# KiCad board forti rev 3.kicad_pcb
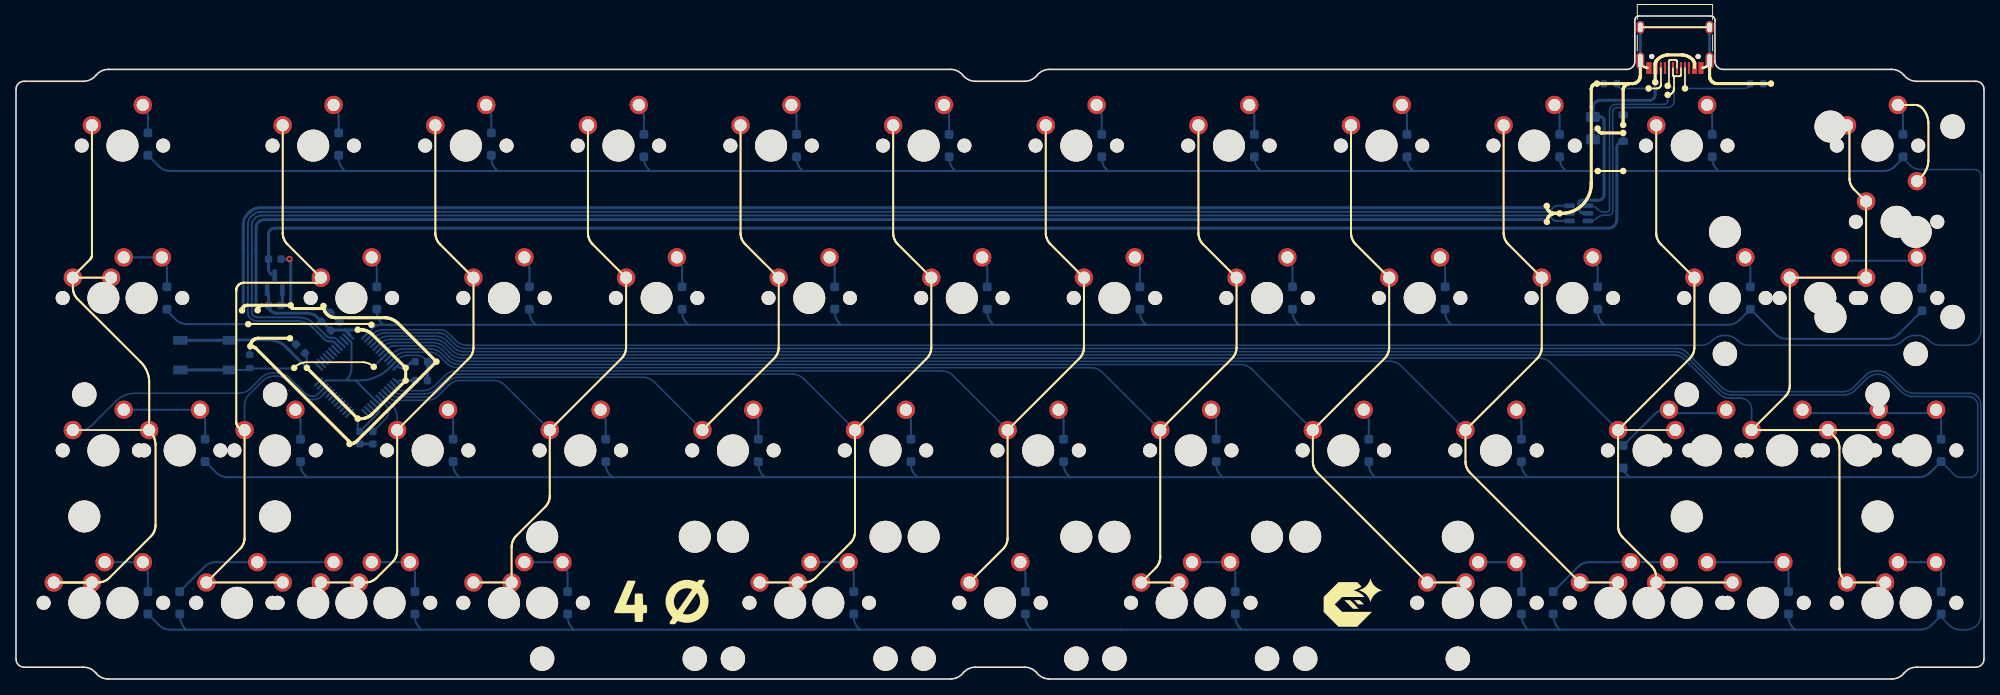
[diagram p0: board, top side]
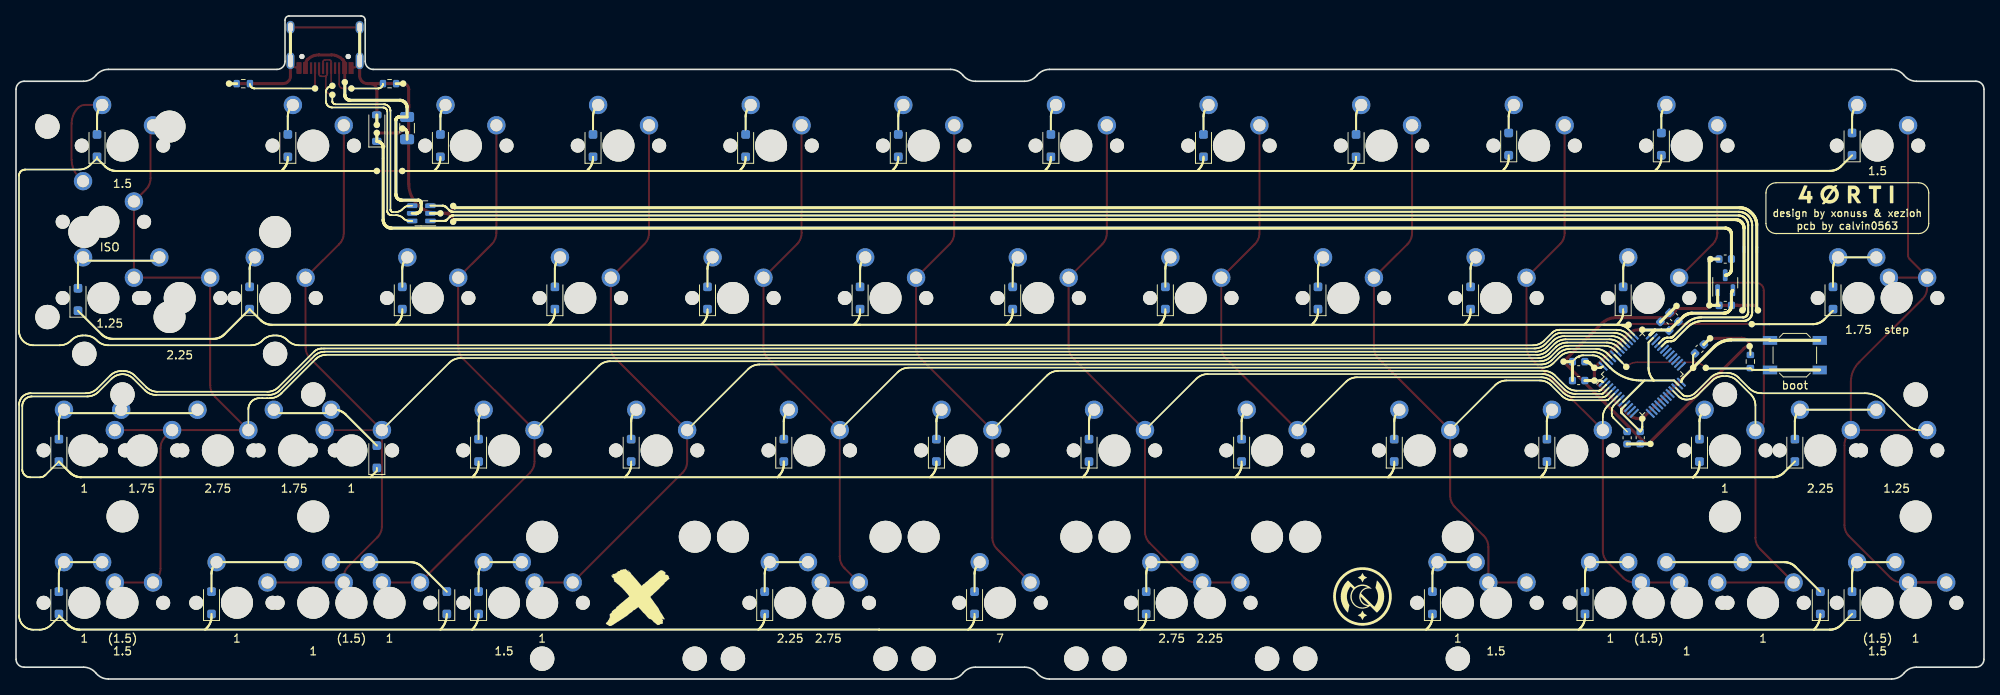
[diagram p1: board, bottom side, seen from below]

Outline 245.65 x 82.88 mm; copper layers: Top, Bottom. Coordinates in mm from the lower left corner of the outline.
Outline path: 0,73.72 0,2.48 arc(0.29,1.77) 1,1.48 8.42,1.48 arc(9.28,1.28) 9.97,0.74 arc(10.66,0.19) 11.52,0 116.65,0 arc(117.51,0.19) 118.2,0.74 arc(118.9,1.28) 119.76,1.48 125.89,1.48 arc(126.75,1.28) 127.45,0.74 arc(128.14,0.19) 129,0 234.13,0 arc(234.99,0.19) 235.68,0.74 arc(236.37,1.28) 237.23,1.48 244.65,1.48 arc(245.36,1.77) 245.65,2.48 245.65,73.72 arc(245.36,74.42) 244.65,74.72 237.23,74.72 arc(236.37,74.91) 235.68,75.46 arc(234.98,76.01) 234.12,76.2 213.07,76.2 arc(212.36,76.49) 212.07,77.2 212.07,82.38 arc(211.92,82.73) 211.57,82.88 202.57,82.88 arc(202.22,82.73) 202.07,82.38 202.07,77.2 arc(201.78,76.49) 201.07,76.2 129,76.2 arc(128.14,76.01) 127.45,75.46 arc(126.75,74.91) 125.89,74.72 119.76,74.72 arc(118.9,74.91) 118.2,75.46 arc(117.51,76.01) 116.65,76.2 11.53,76.2 arc(10.67,76.01) 9.97,75.46 arc(9.28,74.91) 8.42,74.72 1,74.72 arc(0.29,74.42) 0,73.72
Stack: Top 0.035mm / dielectric 1.51mm FR4 er 4.5 / Bottom 0.035mm

## Placement (name value [footprint] x y rotation side)
C1  1uF  [C_0603_1608Metric]  32.3 52.49 180 bottom
C2  1uF  [C_0603_1608Metric]  32.3 46.7 180 bottom
C3  10uF  [C_0603_1608Metric]  38.69 45.23 45 bottom
C4  100nF  [C_0603_1608Metric]  35.51 41.28 135 bottom
C5  100nF  [C_0603_1608Metric]  39.85 44.1 45 bottom
C6  100nF  [C_0603_1608Metric]  50.59 39.67 0 bottom
C7  100nF  [C_0603_1608Metric]  42.91 30.16 270 bottom
C8  100nF  [C_0603_1608Metric]  50.59 37.31 0 bottom
C9  100nF  [C_0603_1608Metric]  44.54 30.15 270 bottom
D1  D_Small  [D_SOD-123F]  16.46 66.86 90 bottom
D2  D_Small  [D_SOD-123F]  40.28 66.86 90 bottom
D3  D_Small  [D_SOD-123F]  59.33 66.86 90 bottom
D4  D_Small  [D_SOD-123F]  78.38 66.68 90 bottom
D5  D_Small  [D_SOD-123F]  97.43 66.68 90 bottom
D6  D_Small  [D_SOD-123F]  116.48 66.68 90 bottom
D7  D_Small  [D_SOD-123F]  135.53 66.68 90 bottom
D8  D_Small  [D_SOD-123F]  154.58 66.68 90 bottom
D9  D_Small  [D_SOD-123F]  173.63 66.68 90 bottom
D10  D_Small  [D_SOD-123F]  192.68 66.68 90 bottom
D11  D_Small  [D_SOD-123F]  211.73 66.68 90 bottom
D12  D_Small  [D_SOD-123F]  235.54 66.68 90 bottom
D13  D_Small  [D_SOD-123F]  18.84 47.62 90 bottom
D14  D_Small  [D_SOD-123F]  45.04 47.62 90 bottom
D15  D_Small  [D_SOD-123F]  64.09 47.62 90 bottom
D16  D_Small  [D_SOD-123F]  83.14 47.62 90 bottom
D17  D_Small  [D_SOD-123F]  102.19 47.62 90 bottom
D18  D_Small  [D_SOD-123F]  121.24 47.62 90 bottom
D19  D_Small  [D_SOD-123F]  140.29 47.62 90 bottom
D20  D_Small  [D_SOD-123F]  159.34 47.62 90 bottom
D21  D_Small  [D_SOD-123F]  178.39 47.62 90 bottom
D22  D_Small  [D_SOD-123F]  197.44 47.62 90 bottom
D23  D_Small  [D_SOD-123F]  216.49 47.62 90 bottom
D24  D_Small  [D_SOD-123F]  237.92 47.44 90 bottom
D25  D_Small  [D_SOD-123F]  23.61 28.58 90 bottom
D26  D_Small  [D_SOD-123F]  35.51 28.58 90 bottom
D27  D_Small  [D_SOD-123F]  54.56 28.58 90 bottom
D28  D_Small  [D_SOD-123F]  73.61 28.58 90 bottom
D29  D_Small  [D_SOD-123F]  92.66 28.58 90 bottom
D30  D_Small  [D_SOD-123F]  111.71 28.58 90 bottom
D31  D_Small  [D_SOD-123F]  130.76 28.58 90 bottom
D32  D_Small  [D_SOD-123F]  149.81 28.58 90 bottom
D33  D_Small  [D_SOD-123F]  168.86 28.58 90 bottom
D34  D_Small  [D_SOD-123F]  187.91 28.58 90 bottom
D35  D_Small  [D_SOD-123F]  200.61 27.78 90 bottom
D36  D_Small  [D_SOD-123F]  240.3 28.58 90 bottom
D37  D_Small  [D_SOD-123F]  16.46 9.53 90 bottom
D38  D_Small  [D_SOD-123F]  20.43 9.53 90 bottom
D39  D_Small  [D_SOD-123F]  49.8 9.53 90 bottom
D40  D_Small  [D_SOD-123F]  68.85 9.53 90 bottom
D41  D_Small  [D_SOD-123F]  104.57 9.53 90 bottom
D42  D_Small  [D_SOD-123F]  126 9.53 90 bottom
D43  D_Small  [D_SOD-123F]  152.19 9.53 90 bottom
D44  D_Small  [D_SOD-123F]  187.91 9.53 90 bottom
D45  D_Small  [D_SOD-123F]  191.88 9.53 90 bottom
D46  D_Small  [D_SOD-123F]  221.25 9.53 90 bottom
D47  D_Small  [D_SOD-123F]  240.3 9.53 90 bottom
D_PWR1  SMF9.0CA  [D_SOD-123]  200.61 68.86 90 bottom
enter2.1  MX_stab  [STAB_MX_2.25u]  225.22 47.62 180 top
F1  500mA  [Fuse_1206_3216Metric]  196.84 68.86 270 bottom
G***  -  [LOGO]  80.76 9.53 0 top
G***#2  -  [LOGO]  166.48 9.53 0 top
G***#3  -  [LOGO]  77.58 10.32 180 bottom
G***#4  -  [LOGO]  17.06 60.48 180 bottom
G***#5  -  [LOGO]  168.07 10.32 180 bottom
ISO1  MX_stab  [STAB_MX_ISO-ROT]  234.74 57.15 0 top
J1  USB_C_Receptacle_USB2.0  [USB_C_Receptacle_HRO_TYPE-C-31-M-12]  207.08 80.41 180 top
MX1  MX_SW_HS  [SW_MX_1.5u]  13.29 66.68 0 top
MX2  MX_SW_HS  [SW_MX_1u]  37.1 66.68 0 top
MX3  MX_SW_HS  [SW_MX_1u]  56.15 66.68 0 top
MX4  MX_SW_HS  [SW_MX_1u]  75.2 66.68 0 top
MX5  MX_SW_HS  [SW_MX_1u]  94.25 66.68 0 top
MX6  MX_SW_HS  [SW_MX_1u]  113.3 66.68 0 top
MX7  MX_SW_HS  [SW_MX_1u]  132.35 66.68 0 top
MX8  MX_SW_HS  [SW_MX_1u]  151.4 66.68 0 top
MX9  MX_SW_HS  [SW_MX_1u]  170.45 66.68 0 top
MX10  MX_SW_HS  [SW_MX_1u]  189.5 66.68 0 top
MX11  MX_SW_HS  [SW_MX_1u]  208.55 66.68 0 top
MX12  MX_SW_HS  [SW_MX_1.5u]  232.36 66.68 0 top
MX13  MX_SW_HS  [SW_MX_1.75u]  15.67 47.62 0 top
MX14  MX_SW_HS  [SW_MX_1u]  41.86 47.62 0 top
MX15  MX_SW_HS  [SW_MX_1u]  60.91 47.62 0 top
MX16  MX_SW_HS  [SW_MX_1u]  79.96 47.62 0 top
MX17  MX_SW_HS  [SW_MX_1u]  99.01 47.62 0 top
MX18  MX_SW_HS  [SW_MX_1u]  118.06 47.62 0 top
MX19  MX_SW_HS  [SW_MX_1u]  137.11 47.62 0 top
MX20  MX_SW_HS  [SW_MX_1u]  156.16 47.62 0 top
MX21  MX_SW_HS  [SW_MX_1u]  175.21 47.62 0 top
MX22  MX_SW_HS  [SW_MX_1u]  194.26 47.62 0 top
MX23  MX_SW_HS  [SW_MX_1u]  213.31 47.62 0 top
MX24  MX_SW_HS  [SW_MX_1.25u]  234.74 47.62 0 top
MX25  MX_SW_HS  [SW_MX_1.25u]  10.91 28.58 0 top
MX26  MX_SW_HS  [SW_MX_1u]  32.34 28.58 0 top
MX27  MX_SW_HS  [SW_MX_1u]  51.39 28.58 0 top
MX28  MX_SW_HS  [SW_MX_1u]  70.44 28.58 0 top
MX29  MX_SW_HS  [SW_MX_1u]  89.49 28.58 0 top
MX30  MX_SW_HS  [SW_MX_1u]  108.54 28.58 0 top
MX31  MX_SW_HS  [SW_MX_1u]  127.59 28.58 0 top
MX32  MX_SW_HS  [SW_MX_1u]  146.64 28.58 0 top
MX33  MX_SW_HS  [SW_MX_1u]  165.69 28.58 0 top
MX34  MX_SW_HS  [SW_MX_1u]  184.74 28.58 0 top
MX35  MX_SW_HS  [SW_MX_1u]  203.79 28.58 0 top
MX36  MX_SW_HS  [SW_MX_1.75u]  210.93 28.58 0 top
MX37  MX_SW_HS  [SW_MX_1.75u]  229.98 28.58 0 top
MX38  MX_SW_HS  [SW_MX_1u]  237.13 28.58 0 top
MX39  MX_SW_HS  [SW_MX_1u]  8.53 9.53 0 top
MX40  MX_SW_HS  [SW_MX_1.5u]  13.29 9.53 0 top
MX41  MX_SW_HS  [SW_MX_1u]  27.58 9.53 0 top
MX42  MX_SW_HS  [SW_MX_1u]  37.1 9.53 0 top
MX43  MX_SW_HS  [SW_MX_1u]  46.63 9.53 0 top
MX44  MX_SW_HS  [SW_MX_1.5u]  41.86 9.53 0 top
MX45  MX_SW_HS  [SW_MX_1u]  65.68 9.53 0 top
MX46  MX_SW_HS  [SW_MX_1.5u]  60.91 9.53 0 top
MX47  MX_SW_HS  [SW_MX_1u]  122.83 9.53 0 top
MX48  MX_SW_HS  [SW_MX_1u]  179.98 9.53 0 top
MX49  MX_SW_HS  [SW_MX_1.5u]  184.74 9.53 0 top
MX50  MX_SW_HS  [SW_MX_1u]  199.03 9.53 0 top
MX51  MX_SW_HS  [SW_MX_1.5u]  203.79 9.53 0 top
MX52  MX_SW_HS  [SW_MX_1u]  218.08 9.53 0 top
MX53  MX_SW_HS  [SW_MX_1u]  208.55 9.53 0 top
MX54  MX_SW_HS  [SW_MX_1u]  237.13 9.53 0 top
MX55  MX_SW_HS  [SW_MX_1.5u]  232.36 9.53 0 top
MXcaps1  MX_SW_HS  [SW_MX_1.75u_STP_1.25]  10.91 47.62 0 top
MXenter2.1  MX_SW_HS  [SW_MX_1u]  225.22 47.62 0 top
MXISO1  MX_SW_HS  [SW_MX_1u]  234.74 57.15 0 top
MXshift2.1  MX_SW_HS  [SW_MX_1u]  20.43 28.58 0 top
MXshift2.2  MX_SW_HS  [SW_MX_1u]  220.46 28.58 0 top
MXsplit2.1  MX_SW_HS  [SW_MX_1u]  101.39 9.53 0 top
MXsplit2.2  MX_SW_HS  [SW_MX_1u]  149.02 9.53 0 top
MXsplit2.25(1)1  MX_SW_HS  [SW_MX_1u]  96.63 9.53 0 top
MXsplit2.75(1)1  MX_SW_HS  [SW_MX_1u]  144.26 9.53 0 top
R1  5k1  [R_0603_1608Metric]  217.28 74.41 0 bottom
R2  5k1  [R_0603_1608Metric]  199.03 74.41 180 bottom
R3  10k  [R_0603_1608Metric]  29.16 39.69 90 bottom
S1  225  [STAB_MX_2.25u]  96.63 9.53 180 top
S2  7  [STAB_MX_7u]  122.83 9.53 180 top
S3  275  [STAB_MX_2.75u]  144.26 9.53 180 top
S4  225  [STAB_MX_2.25u]  149.02 9.53 180 top
S5  275  [STAB_MX_2.75u]  101.39 9.53 180 top
shift2.1  MX_stab  [STAB_MX_2.75u]  220.46 28.58 0 top
shift2.2  MX_stab  [STAB_MX_2.25u]  20.43 28.58 0 top
SW1  SKQGABE010  [SW_SPST_SKQG_WithoutStem]  23.61 40.48 180 bottom
U1  USBLC6-2SC6  [SOT-23-6]  195.06 58.21 0 bottom
U2  STM32F072C8Tx  [LQFP-48_7x7mm_P0.5mm]  42.66 38.1 135 bottom
U3  XC6206PxxxMR-Regulator_Linear  [SOT-23]  32.3 49.53 90 bottom

## Library data of the parts
C1-C9 = -: ki_fp_filters: C_*
D1-D47 = -: Sim.Device: D; Sim.Pins: 1=K 2=A; ki_fp_filters: TO-???* *_Diode_* *SingleDiode* D_*
D_PWR1 = -: ki_fp_filters: TO-???* *_Diode_* *SingleDiode* D_*
F1 = -: LCSC: C70076; ki_fp_filters: *polyfuse* *PTC*
J1 = -: Datasheet: https://www.usb.org/sites/default/files/documents/usb_type-c.zip; LCSC: C165948; ki_fp_filters: USB*C*Receptacle*
R1-R3 = -: ki_fp_filters: R_*
SW1 = -: LCSC: C115351
U1 = -: Datasheet: https://www.st.com/resource/en/datasheet/usblc6-2.pdf; LCSC: C2827654; ki_fp_filters: SOT?23*
U2 = -: Datasheet: https://www.st.com/resource/en/datasheet/stm32f072c8.pdf; ki_fp_filters: LQFP*7x7mm*P0.5mm*
U3 = -: Datasheet: https://www.torexsemi.com/file/xc6206/XC6206.pdf; LCSC: C5446; ki_fp_filters: SOT?23*

## Footprints (pads in the part's own frame, mm; a bottom-side part is the same pattern mirrored in y, then rotated)
C_0603_1608Metric
  rrect 0.9x0.95 smd: 1(-0.775,0) 2(0.775,0)
D_SOD-123
  rrect 0.9x1.2 smd: 1(-1.65,0) 2(1.65,0)
D_SOD-123F
  rrect 1.1x1.1 smd: 1(-1.4,0) 2(1.4,0)
Fuse_1206_3216Metric
  rrect 1.25x1.75 smd: 1(-1.4,0) 2(1.4,0)
LQFP-48_7x7mm_P0.5mm
  rrect 1.475x0.28 smd: 1(-4.162,2.75) 2(-4.162,2.25) 3(-4.162,1.75) 4(-4.162,1.25) 5(-4.162,0.75) 6(-4.162,0.25) 7(-4.162,-0.25) 8(-4.162,-0.75) 9(-4.162,-1.25) 10(-4.162,-1.75) 11(-4.162,-2.25) 12(-4.162,-2.75) 25(4.162,-2.75) 26(4.162,-2.25) 27(4.162,-1.75) 28(4.162,-1.25) 29(4.162,-0.75) 30(4.162,-0.25) 31(4.162,0.25) 32(4.162,0.75) 33(4.162,1.25) 34(4.162,1.75) 35(4.162,2.25) 36(4.162,2.75)
  rrect 0.28x1.475 smd: 13(-2.75,-4.162) 14(-2.25,-4.162) 15(-1.75,-4.162) 16(-1.25,-4.162) 17(-0.75,-4.162) 18(-0.25,-4.162) 19(0.25,-4.162) 20(0.75,-4.162) 21(1.25,-4.162) 22(1.75,-4.162) 23(2.25,-4.162) 24(2.75,-4.162) 37(2.75,4.162) 38(2.25,4.162) 39(1.75,4.162) 40(1.25,4.162) 41(0.75,4.162) 42(0.25,4.162) 43(-0.25,4.162) 44(-0.75,4.162) 45(-1.25,4.162) 46(-1.75,4.162) 47(-2.25,4.162) 48(-2.75,4.162)
R_0603_1608Metric
  rrect 0.8x0.95 smd: 1(-0.825,0) 2(0.825,0)
SOT-23
  rrect 1.475x0.6 smd: 1(-0.938,0.95) 2(-0.938,-0.95) 3(0.938,0)
SOT-23-6
  rrect 1.325x0.6 smd: 1(-1.137,0.95) 2(-1.137,0) 3(-1.137,-0.95) 4(1.137,-0.95) 5(1.137,0) 6(1.137,0.95)
STAB_MX_2.25u
  round 3.048 hole 3.048 unplated: (-11.906,6.985) (11.906,6.985)
  round 3.988 hole 3.988 unplated: (-11.906,-8.255) (11.906,-8.255)
STAB_MX_2.75u
  round 3.048 hole 3.048 unplated: (-11.906,6.985) (11.906,6.985)
  round 3.988 hole 3.988 unplated: (-11.906,-8.255) (11.906,-8.255)
STAB_MX_7u
  round 3.048 hole 3.048 unplated: (-57.15,6.985) (57.15,6.985)
  round 3.988 hole 3.988 unplated: (-57.15,-8.255) (57.15,-8.255)
STAB_MX_ISO-ROT
  round 3.988 hole 3.988 unplated: (-8.255,11.906) (-8.255,-11.906)
  round 3.048 hole 3.048 unplated: (6.985,11.906) (6.985,-11.906)
SW_MX_1.5u
  round 1.75 hole 1.75 unplated: (-5.08,0) (5.08,0)
  round 3.988 hole 3.988 unplated: (0,0)
  round 2.3 hole 1.524: 1(-3.81,2.54) 2(2.54,5.08)
SW_MX_1.25u
  round 1.75 hole 1.75 unplated: (-5.08,0) (5.08,0)
  round 3.988 hole 3.988 unplated: (0,0)
  round 2.3 hole 1.524: 1(-3.81,2.54) 2(2.54,5.08)
SW_MX_1.75u
  round 1.75 hole 1.75 unplated: (-5.08,0) (5.08,0)
  round 3.988 hole 3.988 unplated: (0,0)
  round 2.3 hole 1.524: 1(-3.81,2.54) 2(2.54,5.08)
SW_MX_1.75u_STP_1.25
  round 1.75 hole 1.75 unplated: (-5.08,0) (5.08,0)
  round 3.988 hole 3.988 unplated: (0,0)
  round 2.3 hole 1.524: 1(-3.81,2.54) 2(2.54,5.08)
SW_MX_1u
  round 1.75 hole 1.75 unplated: (-5.08,0) (5.08,0)
  round 3.988 hole 3.988 unplated: (0,0)
  round 2.3 hole 1.524: 1(-3.81,2.54) 2(2.54,5.08)
SW_SPST_SKQG_WithoutStem
  rect 1.8x1.1 smd: 1(-3.1,1.85) 1(3.1,1.85) 2(-3.1,-1.85) 2(3.1,-1.85)
USB_C_Receptacle_HRO_TYPE-C-31-M-12
  round 0.65 hole 0.65 unplated: (-2.89,2.6) (2.89,2.6)
  rect 0.6x1.45 smd: A1(-3.25,4.045) A4(-2.45,4.045) A9(2.45,4.045) A12(3.25,4.045) B1(3.25,4.045) B4(2.45,4.045) B9(-2.45,4.045) B12(-3.25,4.045)
  rect 0.28x1.45 smd: A5(-1.25,4.045) A6(-0.25,4.045) A7(0.25,4.045) A8(1.25,4.045) B5(1.75,4.045) B6(0.75,4.045) B7(-0.75,4.045) B8(-1.75,4.045)
  oval 1x2.1 hole 0.6x1.7: S1(-4.32,3.13) S1(4.32,3.13)
  oval 1x1.6 hole 0.6x1.2: S1(-4.32,-1.05) S1(4.32,-1.05)

## Nets
+3V3: C2.2 C3.1 C4.1 C5.1 C6.1 C7.1 C8.1 SW1.1 U2.1 U2.9 U2.24 U2.36 U2.48 U3.2
+5V: C1.2 D_PWR1.1 F1.2 U3.3
GND: C1.1 C2.1 C3.2 C4.2 C5.2 C6.2 C7.2 C8.2 C9.2 D_PWR1.2 J1.A1 J1.A12 J1.B1 J1.B12 J1.S1 R1.2 R2.2 R3.2 U1.2 U2.8 U2.23 U2.35 U2.47 U3.1
VBUS: F1.1 J1.A4 J1.A9 J1.B4 J1.B9 U1.5
/CC1: J1.A5 R1.1
/CC2: J1.B5 R2.1
BOOT0: R3.1 SW1.2 U2.44
COL0: MX1.1 MX13.1 MX25.1 MX39.1 MX40.1 MXcaps1.1 MXshift2.1.1 U2.22
COL1: MX2.1 MX14.1 MX26.1 MX41.1 MX42.1 U2.21
COL2: MX3.1 MX15.1 MX27.1 MX43.1 MX44.1 U2.6
COL3: MX4.1 MX16.1 MX28.1 MX45.1 MX46.1 U2.5
COL4: MX5.1 MX17.1 MX29.1 U2.4
COL5: MX6.1 MX18.1 MX30.1 MXsplit2.1.1 MXsplit2.25(1)1.1 U2.3
COL6: MX7.1 MX19.1 MX31.1 MX47.1 U2.2
COL7: MX8.1 MX20.1 MX32.1 MXsplit2.2.1 MXsplit2.75(1)1.1 U2.46
COL8: MX9.1 MX21.1 MX33.1 MX48.1 MX49.1 U2.45
COL9: MX10.1 MX22.1 MX34.1 MX50.1 MX51.1 U2.43
COL10: MX11.1 MX23.1 MX35.1 MX36.1 MX52.1 MX53.1 U2.42
COL11: MX12.1 MX24.1 MX37.1 MX38.1 MX54.1 MX55.1 MXenter2.1.1 MXISO1.1 MXshift2.2.1 U2.41
D_N: U1.3 U2.32
D_P: U1.1 U2.33
D_USB_N: J1.A7 J1.B7 U1.4
D_USB_P: J1.A6 J1.B6 U1.6
NRST: C9.1 U2.7
RGB MCU: U2.28
ROW0: D1.1 D2.1 D3.1 D4.1 D5.1 D6.1 D7.1 D8.1 D9.1 D10.1 D11.1 D12.1 U2.38
ROW1: D13.1 D14.1 D15.1 D16.1 D17.1 D18.1 D19.1 D20.1 D21.1 D22.1 D23.1 D24.1 U2.37
ROW2: D25.1 D26.1 D27.1 D28.1 D29.1 D30.1 D31.1 D32.1 D33.1 D34.1 D35.1 D36.1 U2.40
ROW3: D37.1 D38.1 D39.1 D40.1 D41.1 D42.1 D43.1 D44.1 D45.1 D46.1 D47.1 U2.39
Net-(D1-A): D1.2 MX1.2
Net-(D2-A): D2.2 MX2.2
Net-(D3-A): D3.2 MX3.2
Net-(D4-A): D4.2 MX4.2
Net-(D5-A): D5.2 MX5.2
Net-(D6-A): D6.2 MX6.2
Net-(D7-A): D7.2 MX7.2
Net-(D8-A): D8.2 MX8.2
Net-(D9-A): D9.2 MX9.2
Net-(D10-A): D10.2 MX10.2
Net-(D11-A): D11.2 MX11.2
Net-(D12-A): D12.2 MX12.2 MXISO1.2
Net-(D13-A): D13.2 MX13.2 MXcaps1.2
Net-(D14-A): D14.2 MX14.2
Net-(D15-A): D15.2 MX15.2
Net-(D16-A): D16.2 MX16.2
Net-(D17-A): D17.2 MX17.2
Net-(D18-A): D18.2 MX18.2
Net-(D19-A): D19.2 MX19.2
Net-(D20-A): D20.2 MX20.2
Net-(D21-A): D21.2 MX21.2
Net-(D22-A): D22.2 MX22.2
Net-(D23-A): D23.2 MX23.2
Net-(D24-A): D24.2 MX24.2 MXenter2.1.2
Net-(D25-A): D25.2 MX25.2 MXshift2.1.2
Net-(D26-A): D26.2 MX26.2
Net-(D27-A): D27.2 MX27.2
Net-(D28-A): D28.2 MX28.2
Net-(D29-A): D29.2 MX29.2
Net-(D30-A): D30.2 MX30.2
Net-(D31-A): D31.2 MX31.2
Net-(D32-A): D32.2 MX32.2
Net-(D33-A): D33.2 MX33.2
Net-(D34-A): D34.2 MX34.2
Net-(D35-A): D35.2 MX35.2 MX36.2
Net-(D36-A): D36.2 MX37.2 MX38.2 MXshift2.2.2
Net-(D37-A): D37.2 MX39.2 MX40.2
Net-(D38-A): D38.2 MX41.2 MX42.2
Net-(D39-A): D39.2 MX43.2 MX44.2
Net-(D40-A): D40.2 MX45.2 MX46.2
Net-(D41-A): D41.2 MXsplit2.1.2 MXsplit2.25(1)1.2
Net-(D42-A): D42.2 MX47.2
Net-(D43-A): D43.2 MXsplit2.2.2 MXsplit2.75(1)1.2
Net-(D44-A): D44.2 MX48.2 MX49.2
Net-(D45-A): D45.2 MX50.2 MX51.2
Net-(D46-A): D46.2 MX52.2 MX53.2
Net-(D47-A): D47.2 MX54.2 MX55.2

Pads without a net: J1 A8 B8; U2 10 11 12 13 14 15 16 17 18 19 20 25 26 27 29 30 31 34

## Via types
v1: diameter 0.8, hole 0.4, Top to Bottom, 33 vias

## Routing (per net, layer and track width the routed paths; a pad name or vN(x,y) marks a point on that pad's centre or on a via; arc(x,y) is an arc through that point)
+3V3: length 75.1
  Top w0.381: v1(36.31,38.89) v1(42.66,32.54) 43.04,32.54 arc(43.81,32.7) 44.46,33.13 v1(48.64,37.31) v1(48.64,38.89) 44.46,43.07 arc(43.81,43.5) 43.04,43.66 v1(42.66,43.66)
  Bottom w0.25: v1(42.66,32.54) 42.66,31.55 arc(42.72,31.22) C7.1 45.19,33.21 arc(45.26,33.32) 45.28,33.45 45.28,33.6 arc(45.26,33.7) 45.21,33.78 U2.9 ; C4.1 36.31,40.48 v1(36.31,38.89) 37.53,37.67 arc(37.71,37.41) U2.24 ; v1(48.64,38.89) 48.04,38.89 arc(47.77,38.95) U2.48 ; v1(48.64,37.31) 48.04,37.31 arc(47.77,37.25) U2.1
  Bottom w0.381: v1(48.64,38.89) 49.22,39.48 arc(49.43,39.62) 49.68,39.67 C6.1 ; SW1.1 SW1.1 26.76,42.39 31.54,42.39 arc(32.72,42.15) 33.71,41.49 v1(36.31,38.89) ; v1(48.64,37.31) C8.1 ; 41.08,43.62 41.66,43.05 ; 41.08,43.62 41.69,43.02 ; 41.08,43.62 42.62,43.62 v1(42.66,43.66) ; 41.08,43.62 39.47,43.62 arc(39.38,43.6) C5.1 38.19,44.67 arc(38.17,44.68) C3.1 37.6,45.23 arc(37.05,45.59) 36.41,45.72 32.5,45.72 arc(31.81,46.01) 31.52,46.69 C2.2 31.52,48.17 arc(31.48,48.4) U3.2
+5V: length 191.4
  Top w0.381: v1(200.61,68.26) 197.97,68.26 arc(197.58,68.42) v1(197.42,68.81)
  Bottom w0.381: F1.2 196.84,68.22 arc(197.01,68.64) v1(197.42,68.81) ; v1(200.61,68.26) D_PWR1.1 arc(200.05,66.97) 199.82,66.41 199.82,57.41 arc(199.51,56.66) 198.77,56.36 32.29,56.36 arc(31.75,56.13) 31.52,55.59 C1.2 31.52,51.24 arc(31.75,50.69) U3.3
GND: length 534.7
  Top w0.25: 210.33,76.4 210.48,76.4 arc(211.13,76.67) 211.4,77.32 ; 203.83,76.4 203.67,76.4 arc(203.02,76.67) 202.76,77.32 ; J1.S1 J1.S1
  Top w0.381: v1(192.68,58.21) 192.15,58.21 arc(191.4,57.9) v1(191.09,57.15) ; v1(192.68,58.21) 192,58.21 arc(191.35,58.48) v1(191.08,59.13) ; v1(192.68,58.21) 192.92,58.21 arc(195.54,59.29) 196.63,61.92 196.63,71.44 ; 31.54,46.71 28.85,46.71 arc(28.4,46.53) v1(28.21,46.08) ; 31.54,46.71 v1(34.28,46.71) ; 31.54,46.71 30.78,46.71 arc(30.34,46.53) v1(30.16,46.09) ; 196.63,71.44 196.63,71.75 ; 196.63,71.44 196.63,73.73 arc(196.84,74.22) v1(197.33,74.43) 201.41,74.43 ; J1.S1 202.76,75.41 arc(202.47,74.71) 201.77,74.43 201.41,74.43 ; v1(200.61,69.26) 200.61,73.63 arc(200.84,74.19) 201.41,74.43 ; v1(219.06,74.43) 212.33,74.43 arc(211.67,74.7) 211.4,75.36 J1.S1 ; v1(34.28,46.71) 34.28,46.69 ; v1(34.28,46.71) arc(34.4,46.43) 34.68,46.31 38.05,46.31 arc(38.28,46.4) v1(38.38,46.63) arc(38.81,45.6) 39.84,45.17 45.94,45.17 arc(46.9,44.98) 47.72,44.43 v1(52.48,39.67) 42.58,29.78 arc(42.15,29.49) v1(41.64,29.39) arc(41.59,29.62) 41.46,29.82 29.98,41.3 arc(29.65,41.52) 29.26,41.6 v1(29.25,41.6) arc(29.54,42.3) 30.25,42.59 v1(34.19,42.59) ; v1(34.14,52.49) 34.1,52.53
  Bottom w0.2: C6.2 50.97,40.07 arc(50.54,40.35) 50.03,40.46 48.85,40.46 arc(48.24,40.34) 47.73,39.99 U2.47 46.65,38.91
  Bottom w0.25: 42.38,37.32 U2.8 ; 42.38,37.32 42.84,37.32 arc(44.88,37.72) 46.62,38.88 U2.47 ; 42.38,37.32 38.69,37.32 U2.23 ; v1(29.25,41.6) 29.16,41.51 R3.2 ; U2.35 41.87,42.07 41.87,38.9 arc(41.7,38.04) 41.21,37.31
  Bottom w0.381: J1.S1 J1.S1 ; U1.2 v1(192.68,58.21) ; C8.2 C6.2 52.47,39.67 v1(52.48,39.67) ; C1.1 34.14,52.49 v1(34.14,52.49) arc(34.25,52.33) 34.28,52.15 v1(34.28,46.71) 34.27,46.7 C2.1 33.25,46.87 U3.1 ; D_PWR1.2 v1(200.61,69.26) ; v1(28.21,46.08) 28.37,46.24 28.37,53.98 ; 29.95,53.98 29.95,56.36 arc(30.27,57.11) 31.02,57.43 190.81,57.43 arc(191.01,57.35) v1(191.09,57.15) ; 29.95,53.98 29.95,53.39 ; 29.95,53.98 29.95,46.3 v1(30.16,46.09) ; 28.37,53.98 28.37,53.34 ; 28.37,53.98 28.37,56.76 arc(28.52,57.53) 28.95,58.18 29.1,58.33 arc(29.75,58.76) 30.52,58.91 190.86,58.91 arc(191.02,58.98) v1(191.08,59.13) ; v1(34.19,42.59) 34.96,41.82 C4.2 ; R1.2 219.04,74.41 v1(219.06,74.43) ; C5.2 40.37,44.65 C3.2 39.23,45.78 v1(38.38,46.63) ; R2.2 197.34,74.41 arc(197.33,74.42) v1(197.33,74.43) ; 211.4,77.03 J1.S1 ; C9.2 44.53,29.39 C7.2 41.64,29.39 arc(41.64,29.39) v1(41.64,29.39)
VBUS: length 37.7
  Top w0.381: v1(204.61,74.6) 204.61,76.77 arc(204.68,77.13) 204.88,77.43 ; J1.A4 209.53,76.81 arc(209.46,77.14) 209.27,77.43 arc(208.62,77.86) 207.85,78.01 206.3,78.01 arc(205.53,77.86) 204.88,77.43 ; 204.88,77.43 arc(204.69,77.14) 204.63,76.81
  Bottom w0.381: U1.5 195.72,58.21 arc(195.26,58.4) 195.06,58.87 195.06,59.45 arc(195.18,59.73) 195.46,59.85 197.5,59.85 arc(198.02,60.06) 198.23,60.58 198.23,69.85 arc(198.11,70.14) 197.83,70.26 F1.1 196.84,71.44 arc(197.1,72.07) 197.74,72.34 203.92,72.34 arc(204.41,72.54) 204.61,73.03 v1(204.61,74.6)
/CC1: length 11
  Top w0.2: v1(208.33,73.82) J1.A5
  Bottom w0.2: v1(208.33,73.82) 215.86,73.82 arc(216.28,73.99) R1.1
/CC2: length 8.1
  Top w0.2: J1.B5 205.33,74.32 arc(205.18,73.97) 204.82,73.82 v1(203.79,73.82)
  Bottom w0.2: v1(203.79,73.82) 200.44,73.82 arc(200.02,73.99) R2.1
BOOT0: length 26.8
  Top w0.2: v1(34.72,38.89) 34.79,38.97 arc(35.49,39.43) 36.31,39.59 43.27,39.59 arc(44.02,39.44) v1(44.66,39.02)
  Bottom w0.2: 45.17,39.55 44.66,39.04 v1(44.66,39.02)
  Bottom w0.25: v1(34.72,38.89) 34.64,38.82 29.21,38.82 R3.1 28.93,38.63 SW1.2 ; 45.17,39.55 U2.44
  Bottom w0.381: SW1.2 SW1.2
COL0: length 125.3
  Top w0.2: MX25.1 MXshift2.1.1
  Top w0.25: 7.1,50.17 11.86,50.17 ; 7.1,50.17 7.1,48.91 arc(7.25,48.15) 7.68,47.5 15.58,39.6 arc(16.35,38.45) 16.62,37.09 MXshift2.1.1 arc(17.21,30.24) 17.42,29.2 17.42,19.24 arc(17.26,18.48) 16.83,17.83 11.65,12.65 arc(11,12.22) 10.24,12.06 MX39.1 MX40.1 ; 7.1,50.17 arc(7.12,50.29) 7.19,50.39 9.25,52.45 arc(9.42,52.7) 9.48,53 MX1.1
  Bottom w0.2: U2.22 37.64,35.56 arc(37.39,35.39) 37.1,35.34 37.01,35.34 36.82,35.36 36.62,35.41 36.43,35.49 36.25,35.6 36.08,35.73 35.88,35.92 ; MX25.1 8.03,31.12 arc(8.79,31.27) 9.44,31.7 12.46,34.72 arc(13.57,35.46) 14.88,35.72 27.77,35.72 arc(28.61,35.88) 29.32,36.36 30.63,37.67 arc(31.28,38.11) 32.05,38.26 32.71,38.26 arc(33.47,38.11) 34.12,37.67 35.89,35.91
COL1: length 97.6
  Top w0.25: 27.49,48.51 27.49,48.56 arc(27.77,49.25) 28.46,49.53 ; MX42.1 MX41.1 27.94,16.24 arc(28.38,16.89) 28.53,17.66 MX26.1 arc(27.79,31.42) 27.49,32.16 27.49,48.51 ; MX2.1 33.29,55.76 arc(33.44,54.99) 33.88,54.34 38.05,50.17 arc(37.87,49.72) 37.42,49.53 28.46,49.53
  Bottom w0.2: MX26.1 28.53,34.17 arc(28.68,34.94) 29.11,35.59 30.8,37.27 arc(31.45,37.71) 32.21,37.86 32.54,37.86 arc(33.31,37.71) 33.96,37.27 35.72,35.51 arc(36.37,35.08) 37.13,34.92 arc(37.67,35.03) 38.12,35.33 U2.21
COL2: length 75.3
  Top w0.25: MX44.1 MX43.1 43.61,12.06 arc(44.38,12.22) 45.03,12.65 46.99,14.62 arc(47.43,15.26) 47.58,16.03 MX27.1 56.52,40.05 arc(56.95,40.7) 57.1,41.47 57.1,50.17 52.93,54.34 arc(52.49,54.99) 52.34,55.76 MX3.1
  Bottom w0.2: MX27.1 47.58,32.7 arc(47.43,33.47) 46.99,34.12 U2.6
COL3: length 93.6
  Top w0.25: MX4.1 71.39,55.76 arc(71.54,54.99) 71.98,54.34 76.15,50.17 76.15,41.47 arc(76,40.7) 75.57,40.05 MX28.1 66.63,22.91 arc(66.48,22.15) 66.04,21.5 62.45,17.91 arc(62.02,17.26) 61.87,16.49 MX45.1 MX46.1
  Bottom w0.2: MX28.1 61.01,36.73 arc(60.37,37.16) 59.6,37.31 55.44,37.31 arc(54.68,37.16) 54.03,36.73 52.73,35.42 arc(52.08,34.99) 51.31,34.84 47.13,34.84 arc(46.99,34.87) 46.87,34.95 U2.5
COL4: length 86.8
  Top w0.25: MX5.1 90.44,55.76 arc(90.59,54.99) 91.03,54.34 95.2,50.17 95.2,41.47 arc(95.05,40.7) 94.62,40.05 MX29.1
  Bottom w0.2: MX29.1 79.66,37.13 arc(79.02,37.56) 78.25,37.71 55.28,37.71 arc(54.51,37.56) 53.86,37.13 52.56,35.82 arc(51.91,35.39) 51.15,35.24 47.57,35.24 arc(47.31,35.29) 47.08,35.44 U2.4
COL5: length 133.3
  Top w0.25: MXsplit2.25(1)1.1 MXsplit2.1.1 98.38,12.06 arc(99.15,12.22) 99.8,12.65 104.14,17 arc(104.58,17.65) 104.73,18.41 MX30.1 113.67,40.05 arc(114.1,40.7) 114.25,41.47 114.25,50.17 110.08,54.34 arc(109.64,54.99) 109.49,55.76 MX6.1
  Bottom w0.2: U2.3 47.49,35.74 arc(47.6,35.67) 47.74,35.64 50.98,35.64 arc(51.75,35.79) 52.39,36.22 53.7,37.53 arc(54.35,37.96) 55.11,38.11 96.9,38.11 arc(97.67,37.96) 98.31,37.53 MX30.1
COL6: length 145.5
  Top w0.25: MX47.1 123.19,16.24 arc(123.63,16.89) 123.78,17.66 MX31.1 132.72,40.05 arc(133.15,40.7) 133.3,41.47 133.3,50.17 129.13,54.34 arc(128.69,54.99) 128.54,55.76 MX7.1
  Bottom w0.2: MX31.1 116.96,37.93 arc(116.32,38.36) 115.55,38.51 54.95,38.51 arc(54.18,38.36) 53.53,37.93 52.23,36.62 arc(51.58,36.19) 50.81,36.04 48.09,36.04 arc(47.92,36.07) 47.78,36.17 47.21,36.74 arc(47.2,36.75) U2.2
COL7: length 168.7
  Top w0.25: MX8.1 147.59,55.76 arc(147.74,54.99) 148.18,54.34 152.35,50.17 152.35,41.47 arc(152.2,40.7) 151.77,40.05 MX32.1 142.83,15.27 arc(142.68,14.51) 142.24,13.86 MXsplit2.75(1)1.1 MXsplit2.2.1
  Bottom w0.2: MX32.1 135.61,38.33 arc(134.97,38.76) 134.2,38.91 55.14,38.91 arc(54.38,39.07) 53.73,39.5 52.96,40.27 arc(52.31,40.7) 51.54,40.86 48.72,40.86 arc(47.95,40.7) 47.3,40.27 U2.46
COL8: length 193.2
  Top w0.25: MX49.1 MX48.1 162.46,25.77 arc(162.03,26.42) 161.88,27.18 MX33.1 170.82,40.05 arc(171.25,40.7) 171.4,41.47 171.4,50.17 167.23,54.34 arc(166.79,54.99) 166.64,55.76 MX9.1
  Bottom w0.2: U2.45 46.99,40.67 arc(47.64,41.1) 48.41,41.26 51.71,41.26 arc(52.47,41.1) 53.12,40.67 53.89,39.9 arc(54.54,39.47) 55.31,39.31 152.85,39.31 arc(153.62,39.16) 154.26,38.73 MX33.1
COL9: length 213
  Top w0.25: MX10.1 185.69,55.76 arc(185.84,54.99) 186.28,54.34 190.45,50.17 190.45,41.47 arc(190.3,40.7) 189.87,40.05 MX34.1 180.93,27.18 arc(181.08,26.42) 181.51,25.77 MX50.1 MX51.1
  Bottom w0.2: MX34.1 172.91,39.13 arc(172.27,39.56) 171.5,39.71 55.47,39.71 arc(54.71,39.87) 54.06,40.3 53.29,41.07 arc(52.64,41.5) 51.87,41.66 47.39,41.66 arc(46.63,41.5) 45.98,41.07 U2.43
COL10: length 240.5
  Top w0.2: MX35.1 MX36.1
  Top w0.25: MX11.1 204.74,55.76 arc(204.89,54.99) 205.33,54.34 209.5,50.17 209.5,41.47 arc(209.35,40.7) 208.92,40.05 MX35.1 199.98,19.11 arc(200.13,18.34) 200.56,17.69 204.15,14.1 arc(204.59,13.45) 204.74,12.69 MX53.1 MX52.1
  Bottom w0.2: MX35.1 191.56,39.53 arc(190.92,39.96) 190.15,40.11 55.64,40.11 arc(54.87,40.27) 54.23,40.7 53.45,41.47 arc(52.81,41.9) 52.04,42.06 47.09,42.06 arc(46.32,41.9) 45.67,41.47 U2.42
COL11: length 269.5
  Top w0.25: MX37.1 MXshift2.2.1 220.82,35.29 arc(221.26,35.94) 221.41,36.71 221.41,50.17 230.93,50.17 MXISO1.1 229.44,61.18 arc(229.01,61.83) 228.86,62.59 228.86,69.22 ; MX37.1 227.03,30.26 arc(227.46,29.61) 227.61,28.85 227.61,13.83 arc(227.76,13.07) 228.2,12.42 MX55.1 MX54.1 ; MX37.1 MX38.1
  Bottom w0.2: MXshift2.2.1 216.65,33.72 arc(216.24,34.7) 215.26,35.11 214.9,35.11 214.9,35.1 214.29,35.1 214.29,35.1 213.96,35.1 213.96,35.1 arc(213.2,35.25) 212.55,35.69 212.52,35.72 208.26,39.98 arc(207.66,40.37) 206.96,40.51 55.81,40.51 arc(55.04,40.67) 54.39,41.1 53.62,41.87 arc(52.97,42.3) 52.21,42.46 46.78,42.46 arc(46.01,42.3) 45.37,41.87 U2.41
D_N: length 190.1
  Bottom w0.25: U2.32 39.77,42.05 arc(39.58,42.17) 39.37,42.22 39.11,42.22 arc(38.79,42.28) 38.51,42.46 ; 38.5,42.47 37.02,43.95 arc(36.13,44.55) 35.09,44.75 30.02,44.75 arc(29.26,45.07) 28.94,45.84 28.94,56.73 arc(29.43,57.91) 30.61,58.4 191.09,58.4 arc(191.35,58.45) 191.57,58.6 191.93,58.96 arc(192.15,59.11) 192.41,59.16 U1.3
D_P: length 189
  Bottom w0.25: U1.1 192.22,57.26 arc(192.03,57.29) 191.87,57.4 191.5,57.77 arc(191.31,57.9) 191.08,57.94 30.66,57.94 arc(29.79,57.59) 29.44,56.72 29.44,45.87 arc(29.63,45.4) 30.1,45.2 35.26,45.2 arc(36.32,44.99) 37.22,44.39 38.81,42.8 arc(38.96,42.7) 39.13,42.67 39.48,42.67 arc(39.83,42.6) 40.12,42.4 U2.33
D_USB_N: length 29.9
  Top w0.2: 207.03,75.34 207.61,75.34 arc(207.76,75.41) 207.83,75.56 J1.B7 ; 207.03,75.34 arc(206.98,75.32) 206.96,75.28 206.96,73.82 arc(206.73,73.26) v1(206.17,73.03) ; 207.03,75.34 arc(206.88,75.4) 206.83,75.54 J1.A7
  Bottom w0.2: v1(206.17,73.03) 206.17,72.23 arc(206.05,71.95) 205.78,71.84 199.74,71.84 arc(199.15,71.6) 198.91,71.01 198.91,58.68 arc(198.82,58.47) 198.61,58.38 198.24,58.38 arc(197.79,58.47) 197.42,58.72 197.29,58.85 arc(196.94,59.08) 196.53,59.16 U1.4
D_USB_P: length 32.5
  Top w0.2: J1.A6 207.33,77.17 arc(207.26,77.33) 207.1,77.39 206.53,77.39 arc(206.38,77.33) 206.33,77.19 J1.B6 206.33,74.3 arc(206.28,74.19) v1(206.17,74.15)
  Bottom w0.2: 196.69,57.26 U1.6 196.53,57.26 arc(196.94,57.34) 197.29,57.57 197.31,57.59 arc(197.73,57.88) 198.24,57.98 198.79,57.98 arc(199.16,58.13) 199.31,58.5 199.31,70.93 arc(199.46,71.29) 199.82,71.44 206.17,71.44 arc(206.73,71.67) 206.96,72.23 206.96,73.35 arc(206.73,73.91) v1(206.17,74.15)
NRST: length 5.2
  Bottom w0.2: U2.7 46.19,34.22 arc(46.39,33.91) 46.47,33.54 46.47,33.18 arc(46.4,32.87) 46.23,32.61 C9.1
ROW0: length 477.4
  Top w0.25: v1(197.44,63.5) v1(200.61,63.5)
  Bottom w0.2: D12.1 235.54,65.09 236.36,64.27 arc(237.01,63.83) 237.77,63.68 244.5,63.68 arc(245.05,63.45) 245.28,62.91 245.28,43.52 arc(244.75,42.24) 243.48,41.71 240.2,41.71 arc(239.43,41.87) 238.78,42.3 238.73,42.35 arc(238.08,42.79) 237.32,42.94 237,42.94 arc(236.24,42.79) 235.59,42.35 235.53,42.3 arc(234.88,41.87) 234.12,41.71 216.32,41.71 arc(215.55,41.87) 214.91,42.3 214.85,42.35 arc(214.2,42.79) 213.44,42.94 213.19,42.94 arc(212.42,42.79) 211.77,42.35 211.72,42.3 arc(211.07,41.87) 210.31,41.71 56.3,41.71 arc(55.54,41.87) 54.89,42.3 53.93,43.26 arc(53.49,43.55) 52.98,43.66 45.86,43.66 arc(45.09,43.5) 44.44,43.07 U2.38
  Bottom w0.25: 98.22,63.5 117.27,63.5 ; 98.22,63.5 79.96,63.5 ; 98.22,63.5 98.01,63.71 arc(97.58,64.36) 97.43,65.12 D5.1 ; 117.27,63.5 137.11,63.5 ; 117.27,63.5 117.06,63.71 arc(116.63,64.36) 116.48,65.12 D6.1 ; 155.37,63.5 174.42,63.5 ; 155.37,63.5 155.16,63.71 arc(154.73,64.36) 154.58,65.12 D8.1 ; 155.37,63.5 137.11,63.5 ; 174.42,63.5 193.47,63.5 ; 174.42,63.5 174.21,63.71 arc(173.78,64.36) 173.63,65.12 D9.1 ; D3.1 59.33,65.12 arc(59.48,64.36) 59.91,63.71 60.12,63.5 ; D4.1 78.38,65.12 arc(78.53,64.36) 78.96,63.71 79.17,63.5 79.96,63.5 ; 41.07,63.51 19.25,63.51 19.24,63.51 arc(18.48,63.66) 17.83,64.1 D1.1 ; 41.07,63.51 41.08,63.5 60.12,63.5 ; 41.07,63.51 40.86,63.72 arc(40.43,64.37) 40.28,65.13 D2.1 ; 137.11,63.5 136.32,63.5 136.11,63.71 arc(135.68,64.36) 135.53,65.12 D7.1 ; 193.47,63.5 v1(197.44,63.5) ; 193.47,63.5 193.26,63.71 arc(192.83,64.36) 192.68,65.12 D10.1 ; 235.54,65.09 234.54,64.09 arc(233.89,63.65) 233.12,63.5 212.52,63.5 ; v1(200.61,63.5) 212.52,63.5 ; 212.52,63.5 212.31,63.71 arc(211.88,64.36) 211.73,65.12 D11.1 ; 60.12,63.5 79.96,63.5
ROW1: length 249
  Top w0.25: v1(28.98,44.35) arc(28.99,44.37) 29.01,44.38 44.26,44.38 arc(44.33,44.35) v1(44.36,44.27)
  Bottom w0.2: U2.37 44.36,43.69 arc(45.01,44.12) 45.77,44.27 45.83,44.27
  Bottom w0.25: 26.78,44.36 21.35,44.36 arc(20.59,44.51) 19.94,44.94 18.84,46.04 ; 26.78,44.36 27.71,44.36 ; 26.78,44.36 28.98,44.36 v1(28.98,44.35) ; 160.13,44.27 179.18,44.27 ; 160.13,44.27 159.92,44.48 arc(159.49,45.13) 159.34,45.9 D20.1 ; 160.13,44.27 140.29,44.27 ; 179.18,44.27 198.23,44.27 ; 179.18,44.27 178.97,44.48 arc(178.54,45.13) 178.39,45.9 D21.1 ; 83.93,44.27 102.98,44.27 ; 83.93,44.27 64.88,44.27 ; 83.93,44.27 83.72,44.48 arc(83.29,45.13) 83.14,45.9 D16.1 ; 102.98,44.27 102.77,44.48 arc(102.34,45.13) 102.19,45.9 D17.1 ; 102.98,44.27 122.03,44.27 ; 198.23,44.27 213.71,44.27 arc(214.47,44.43) 215.12,44.86 D23.1 219.61,43.1 arc(220.26,42.67) 221.03,42.52 233.57,42.52 arc(234.33,42.67) 234.98,43.1 D24.1 ; 198.23,44.27 198.02,44.48 arc(197.59,45.13) 197.44,45.9 D22.1 ; 122.03,44.27 121.82,44.48 arc(121.39,45.13) 121.24,45.9 D18.1 ; 122.03,44.27 140.29,44.27 ; 64.88,44.27 64.67,44.48 arc(64.24,45.13) 64.09,45.9 D15.1 ; 64.88,44.27 47.42,44.27 ; 140.29,44.27 141.08,44.27 140.87,44.48 arc(140.44,45.13) 140.29,45.9 D19.1 ; 47.42,44.27 v1(44.36,44.27) ; 47.42,44.27 45.83,44.27 45.62,44.48 arc(45.19,45.13) 45.04,45.9 D14.1
ROW2: length 462.5
  Bottom w0.2: U2.40 45.06,42.27 arc(45.71,42.7) 46.47,42.86 52.37,42.86 arc(53.14,42.7) 53.79,42.27 54.56,41.5 arc(55.21,41.07) 55.97,40.91 207.11,40.91 arc(207.83,40.77) 208.44,40.37 212.71,36.09 arc(213.36,35.66) 214.13,35.51 228.15,35.51 arc(228.91,35.66) 229.56,36.09 231.01,37.54 arc(231.63,37.95) 232.36,38.1 ; 237.51,25.21 arc(238.27,25.36) 238.92,25.8 D36.1 241.98,25.49 arc(242.29,25.29) 242.66,25.21 243.89,25.21 arc(244.58,25.5) 244.87,26.19 244.87,34.13 arc(244.52,34.97) 243.68,35.32 236.77,35.32 arc(236,35.47) 235.35,35.9 233.74,37.51 arc(233.09,37.95) 232.33,38.1
  Bottom w0.25: 93.46,25.22 112.51,25.22 ; 93.46,25.22 74.41,25.22 ; 93.46,25.22 93.25,25.43 arc(92.81,26.08) 92.66,26.85 D29.1 ; 112.51,25.22 131.56,25.22 ; 112.51,25.22 112.3,25.43 arc(111.86,26.08) 111.71,26.85 D30.1 ; D28.1 73.61,26.85 arc(73.76,26.08) 74.2,25.43 74.41,25.22 ; 36.31,25.22 55.36,25.22 ; 36.31,25.22 36.1,25.43 arc(35.66,26.08) 35.51,26.85 D26.1 ; 36.31,25.22 arc(36.3,25.22) 36.3,25.22 26.38,25.22 arc(25.62,25.37) 24.97,25.81 23.59,27.18 ; 55.36,25.22 74.41,25.22 ; 55.36,25.22 55.15,25.43 arc(54.71,26.08) 54.56,26.85 D27.1 ; 150.61,25.22 169.66,25.22 ; 150.61,25.22 131.56,25.22 ; 150.61,25.22 150.4,25.43 arc(149.96,26.08) 149.81,26.85 D32.1 ; 169.66,25.22 169.45,25.43 arc(169.01,26.08) 168.86,26.85 D33.1 ; 169.66,25.22 188.71,25.22 ; D36.1 238.94,25.81 arc(238.29,25.38) 237.52,25.22 201.41,25.22 ; 131.56,25.22 131.35,25.43 arc(130.91,26.08) 130.76,26.85 D31.1 ; D35.1 200.61,26.02 201.41,25.22 ; D34.1 187.91,26.85 arc(188.06,26.08) 188.5,25.43 188.71,25.22 ; 188.71,25.22 201.41,25.22
ROW3: length 484.7
  Bottom w0.2: U2.39 44.75,42.67 arc(45.4,43.1) 46.17,43.26 52.8,43.26 arc(53.32,43.15) 53.76,42.86 54.72,41.9 arc(55.37,41.47) 56.14,41.31 207.11,41.31 207.26,41.31 207.46,41.31 arc(208.01,41.2) 208.48,40.89 212.88,36.49 arc(213.53,36.06) 214.29,35.91 227.98,35.91 arc(228.75,36.06) 229.39,36.49 230.82,37.91 arc(231.47,38.35) 232.23,38.5 232.49,38.5 arc(233.26,38.35) 233.91,37.91 235.52,36.3 arc(236.17,35.87) 236.93,35.72 243.82,35.72 arc(244.84,35.29) 245.27,34.27 245.27,7.96 arc(244.74,6.69) 243.48,6.16 242.72,6.16 arc(241.95,6.31) 241.3,6.75 240.3,7.75 240.3,7.94
  Bottom w0.25: D37.1 17.84,6.75 arc(18.49,6.31) 19.25,6.16 21.23,6.16 ; 50.59,6.16 50.39,6.37 arc(49.95,7.02) 49.8,7.78 D39.1 ; 50.59,6.16 21.23,6.16 ; 50.59,6.16 69.64,6.16 ; 192.68,6.17 222.04,6.17 ; 192.68,6.17 188.71,6.17 ; 192.68,6.17 arc(192.09,7.05) 191.88,8.09 D45.1 ; 222.04,6.17 221.84,6.38 arc(221.4,7.03) 221.25,7.8 D46.1 ; 222.04,6.17 237.71,6.17 arc(238.47,6.33) 239.12,6.76 240.3,7.94 ; 126.79,6.16 126.59,6.37 arc(126.15,7.02) 126,7.78 D42.1 ; 126.79,6.16 105.36,6.16 ; 126.79,6.16 137.91,6.16 137.92,6.17 152.99,6.17 ; 105.36,6.16 69.64,6.16 ; 105.36,6.16 105.15,6.37 arc(104.72,7.02) 104.57,7.78 D41.1 ; 152.99,6.17 188.71,6.17 ; 152.99,6.17 152.78,6.38 arc(152.35,7.03) 152.19,7.8 D43.1 ; 21.23,6.16 arc(20.64,7.04) 20.43,8.08 D38.1 ; 188.71,6.17 arc(188.12,7.05) 187.91,8.09 D44.1 ; D40.1 68.85,7.78 arc(69,7.02) 69.44,6.37 69.64,6.16
Net-(D1-A): length 3.7
  Bottom w0.25: D1.2 16.46,70.22 arc(16.3,71.05) MX1.2
Net-(D2-A): length 3.6
  Bottom w0.25: 40.28,68.35 40.28,70.29 arc(40.12,71.06) 39.69,71.71 MX2.2
Net-(D3-A): length 3.6
  Bottom w0.25: MX3.2 58.74,71.71 arc(59.17,71.06) 59.33,70.29 59.33,68.35
Net-(D4-A): length 3.6
  Bottom w0.25: MX4.2 77.79,71.71 arc(78.22,71.06) 78.38,70.29 78.38,68.35
Net-(D5-A): length 3.6
  Bottom w0.25: MX5.2 96.84,71.71 arc(97.27,71.06) 97.43,70.29 97.43,68.35
Net-(D6-A): length 3.6
  Bottom w0.25: MX6.2 115.89,71.71 arc(116.32,71.06) 116.48,70.29 116.48,68.35
Net-(D7-A): length 3.6
  Bottom w0.25: 135.53,68.35 135.53,70.29 arc(135.37,71.06) 134.94,71.71 MX7.2
Net-(D8-A): length 3.6
  Bottom w0.25: 154.58,68.35 154.58,70.29 arc(154.42,71.06) 153.99,71.71 MX8.2
Net-(D9-A): length 3.6
  Bottom w0.25: 173.63,68.35 173.63,70.29 arc(173.47,71.06) 173.04,71.71 MX9.2
Net-(D10-A): length 3.5
  Bottom w0.25: MX10.2 192.09,71.71 arc(192.52,71.06) 192.68,70.29 192.68,68.45
Net-(D11-A): length 3.5
  Bottom w0.25: 211.73,68.45 211.73,70.29 arc(211.57,71.06) 211.14,71.71 MX11.2
Net-(D12-A): length 16.5
  Top w0.25: MXISO1.2 237.84,62.79 arc(238.49,63.75) 238.71,64.89 238.71,69.43 arc(238.5,70.5) 237.89,71.41 arc(237.51,71.67) 237.06,71.75 MX12.2
  Bottom w0.25: 235.54,68.35 235.54,70.29 arc(235.39,71.06) 234.95,71.71 MX12.2
Net-(D13-A): length 8.6
  Bottom w0.25: 13.45,52.71 18.21,52.71 18.26,52.66 arc(18.69,52.01) 18.84,51.24 18.84,49.03
Net-(D14-A): length 3.9
  Bottom w0.25: 44.4,52.71 44.45,52.66 arc(44.89,52.01) 45.04,51.24 45.04,49.03
Net-(D15-A): length 3.9
  Bottom w0.25: 64.09,49.03 64.09,51.24 arc(63.94,52.01) 63.5,52.66 63.45,52.71
Net-(D16-A): length 3.9
  Bottom w0.25: 82.5,52.71 82.55,52.66 arc(82.99,52.01) 83.14,51.24 83.14,49.03
Net-(D17-A): length 3.9
  Bottom w0.25: 101.55,52.71 101.6,52.66 arc(102.04,52.01) 102.19,51.24 102.19,49.03
Net-(D18-A): length 3.9
  Bottom w0.25: 120.6,52.71 120.65,52.66 arc(121.09,52.01) 121.24,51.24 121.24,49.03
Net-(D19-A): length 3.9
  Bottom w0.25: 140.29,49.03 140.29,51.24 arc(140.14,52.01) 139.7,52.66 139.65,52.71
Net-(D20-A): length 3.9
  Bottom w0.25: 159.34,49.03 159.34,51.24 arc(159.19,52.01) 158.75,52.66 158.7,52.71
Net-(D21-A): length 3.9
  Bottom w0.25: 178.39,49.03 178.39,51.24 arc(178.24,52.01) 177.8,52.66 177.75,52.71
Net-(D22-A): length 3.9
  Bottom w0.25: 196.8,52.71 196.85,52.66 arc(197.29,52.01) 197.44,51.24 197.44,49.03
Net-(D23-A): length 3.9
  Bottom w0.25: 216.49,49.03 216.49,51.24 arc(216.34,52.01) 215.9,52.66 215.85,52.71
Net-(D24-A): length 14.1
  Bottom w0.25: D24.2 237.92,52.07 237.7,52.29 ; 237.7,52.29 228.18,52.29 227.76,52.71 ; 237.7,52.29 237.28,52.29
Net-(D25-A): length 13.4
  Bottom w0.25: MX25.2 MXshift2.1.2 23.02,33.61 arc(23.45,32.96) 23.61,32.19 D25.2
Net-(D26-A): length 3.9
  Bottom w0.25: D26.2 35.51,32.19 arc(35.36,32.96) 34.93,33.61 MX26.2
Net-(D27-A): length 3.9
  Bottom w0.25: D27.2 54.56,32.19 arc(54.41,32.96) 53.98,33.61 MX27.2
Net-(D28-A): length 3.9
  Bottom w0.25: MX28.2 73.03,33.61 arc(73.46,32.96) 73.61,32.19 D28.2
Net-(D29-A): length 3.9
  Bottom w0.25: MX29.2 92.08,33.61 arc(92.51,32.96) 92.66,32.19 D29.2
Net-(D30-A): length 3.9
  Bottom w0.25: MX30.2 111.13,33.61 arc(111.56,32.96) 111.71,32.19 D30.2
Net-(D31-A): length 3.9
  Bottom w0.25: D31.2 130.76,32.19 arc(130.61,32.96) 130.18,33.61 MX31.2
Net-(D32-A): length 3.9
  Bottom w0.25: MX32.2 149.23,33.61 arc(149.66,32.96) 149.81,32.19 D32.2
Net-(D33-A): length 3.9
  Bottom w0.25: D33.2 168.86,32.19 arc(168.71,32.96) 168.28,33.61 MX33.2
Net-(D34-A): length 3.9
  Bottom w0.25: D34.2 187.91,32.19 arc(187.76,32.96) 187.33,33.61 MX34.2
Net-(D35-A): length 15
  Bottom w0.25: D35.2 204.5,33.07 arc(205.15,33.5) 205.91,33.66 MX35.2 206.75,33.23 213.05,33.23 MX36.2
Net-(D36-A): length 20.9
  Bottom w0.25: D36.2 240.3,32.19 arc(240.15,32.96) 239.71,33.61 MX38.2 239.25,33.23 223.42,33.23 MXshift2.2.2
Net-(D37-A): length 8.6
  Bottom w0.25: MX39.2 MX40.2 15.88,14.56 arc(16.31,13.91) 16.46,13.14 D37.2
Net-(D38-A): length 20.6
  Bottom w0.25: D38.2 23.53,14.02 arc(24.17,14.45) 24.94,14.61 MX41.2 MX42.2
Net-(D39-A): length 8.6
  Bottom w0.25: MX44.2 MX43.2 49.21,14.56 arc(49.65,13.91) 49.8,13.14 D39.2
Net-(D40-A): length 8.6
  Bottom w0.25: D40.2 68.85,13.14 arc(68.7,13.91) 68.26,14.56 MX45.2 MX46.2
Net-(D41-A): length 8.6
  Bottom w0.25: 99.17,14.61 MXsplit2.1.2 103.98,14.56 arc(104.42,13.91) 104.57,13.14 D41.2
Net-(D42-A): length 3.9
  Bottom w0.25: MX47.2 125.41,14.56 arc(125.85,13.91) 126,13.14 D42.2
Net-(D43-A): length 8.6
  Bottom w0.25: D43.2 152.19,13.14 arc(152.04,13.91) 151.61,14.56 MXsplit2.2.2 MXsplit2.75(1)1.2
Net-(D44-A): length 8.6
  Bottom w0.25: MX48.2 MX49.2 arc(187.75,13.9) 187.91,13.07 D44.2
Net-(D45-A): length 15.9
  Bottom w0.25: MX51.2 MX50.2 196.39,14.61 arc(195.62,14.45) 194.98,14.02 D45.2
Net-(D46-A): length 13.4
  Bottom w0.25: D46.2 221.25,13.14 arc(221.1,13.91) 220.66,14.56 MX52.2 MX53.2
Net-(D47-A): length 8.6
  Bottom w0.25: D47.2 240.3,13.14 arc(240.15,13.91) 239.71,14.56 MX54.2 MX55.2

## Text on the board
B.Silkscreen: design by xonuss & xezioh | pcb by calvin0563 | 1 | step | 1.25 | 1.5 | (1.5) | 1.75 | 2.25 | boot | 2.75 | 7 | ISO
User.Comments: centre
